# Altium PCB Stabilizer_Pounder.PcbDoc (part 7 of 7)
Units mm, origin at the board's own origin, x right, y up, seen from the top; angles counter-clockwise.
Board outline 113.55 x 100 mm, 4 copper layers (Top, P2, L3, Bottom Layer), stack 1.579 mm thick; 591 components, 344 nets, 1737 pads, 984 vias.
Unrouted connection lines stored in the file: 2.
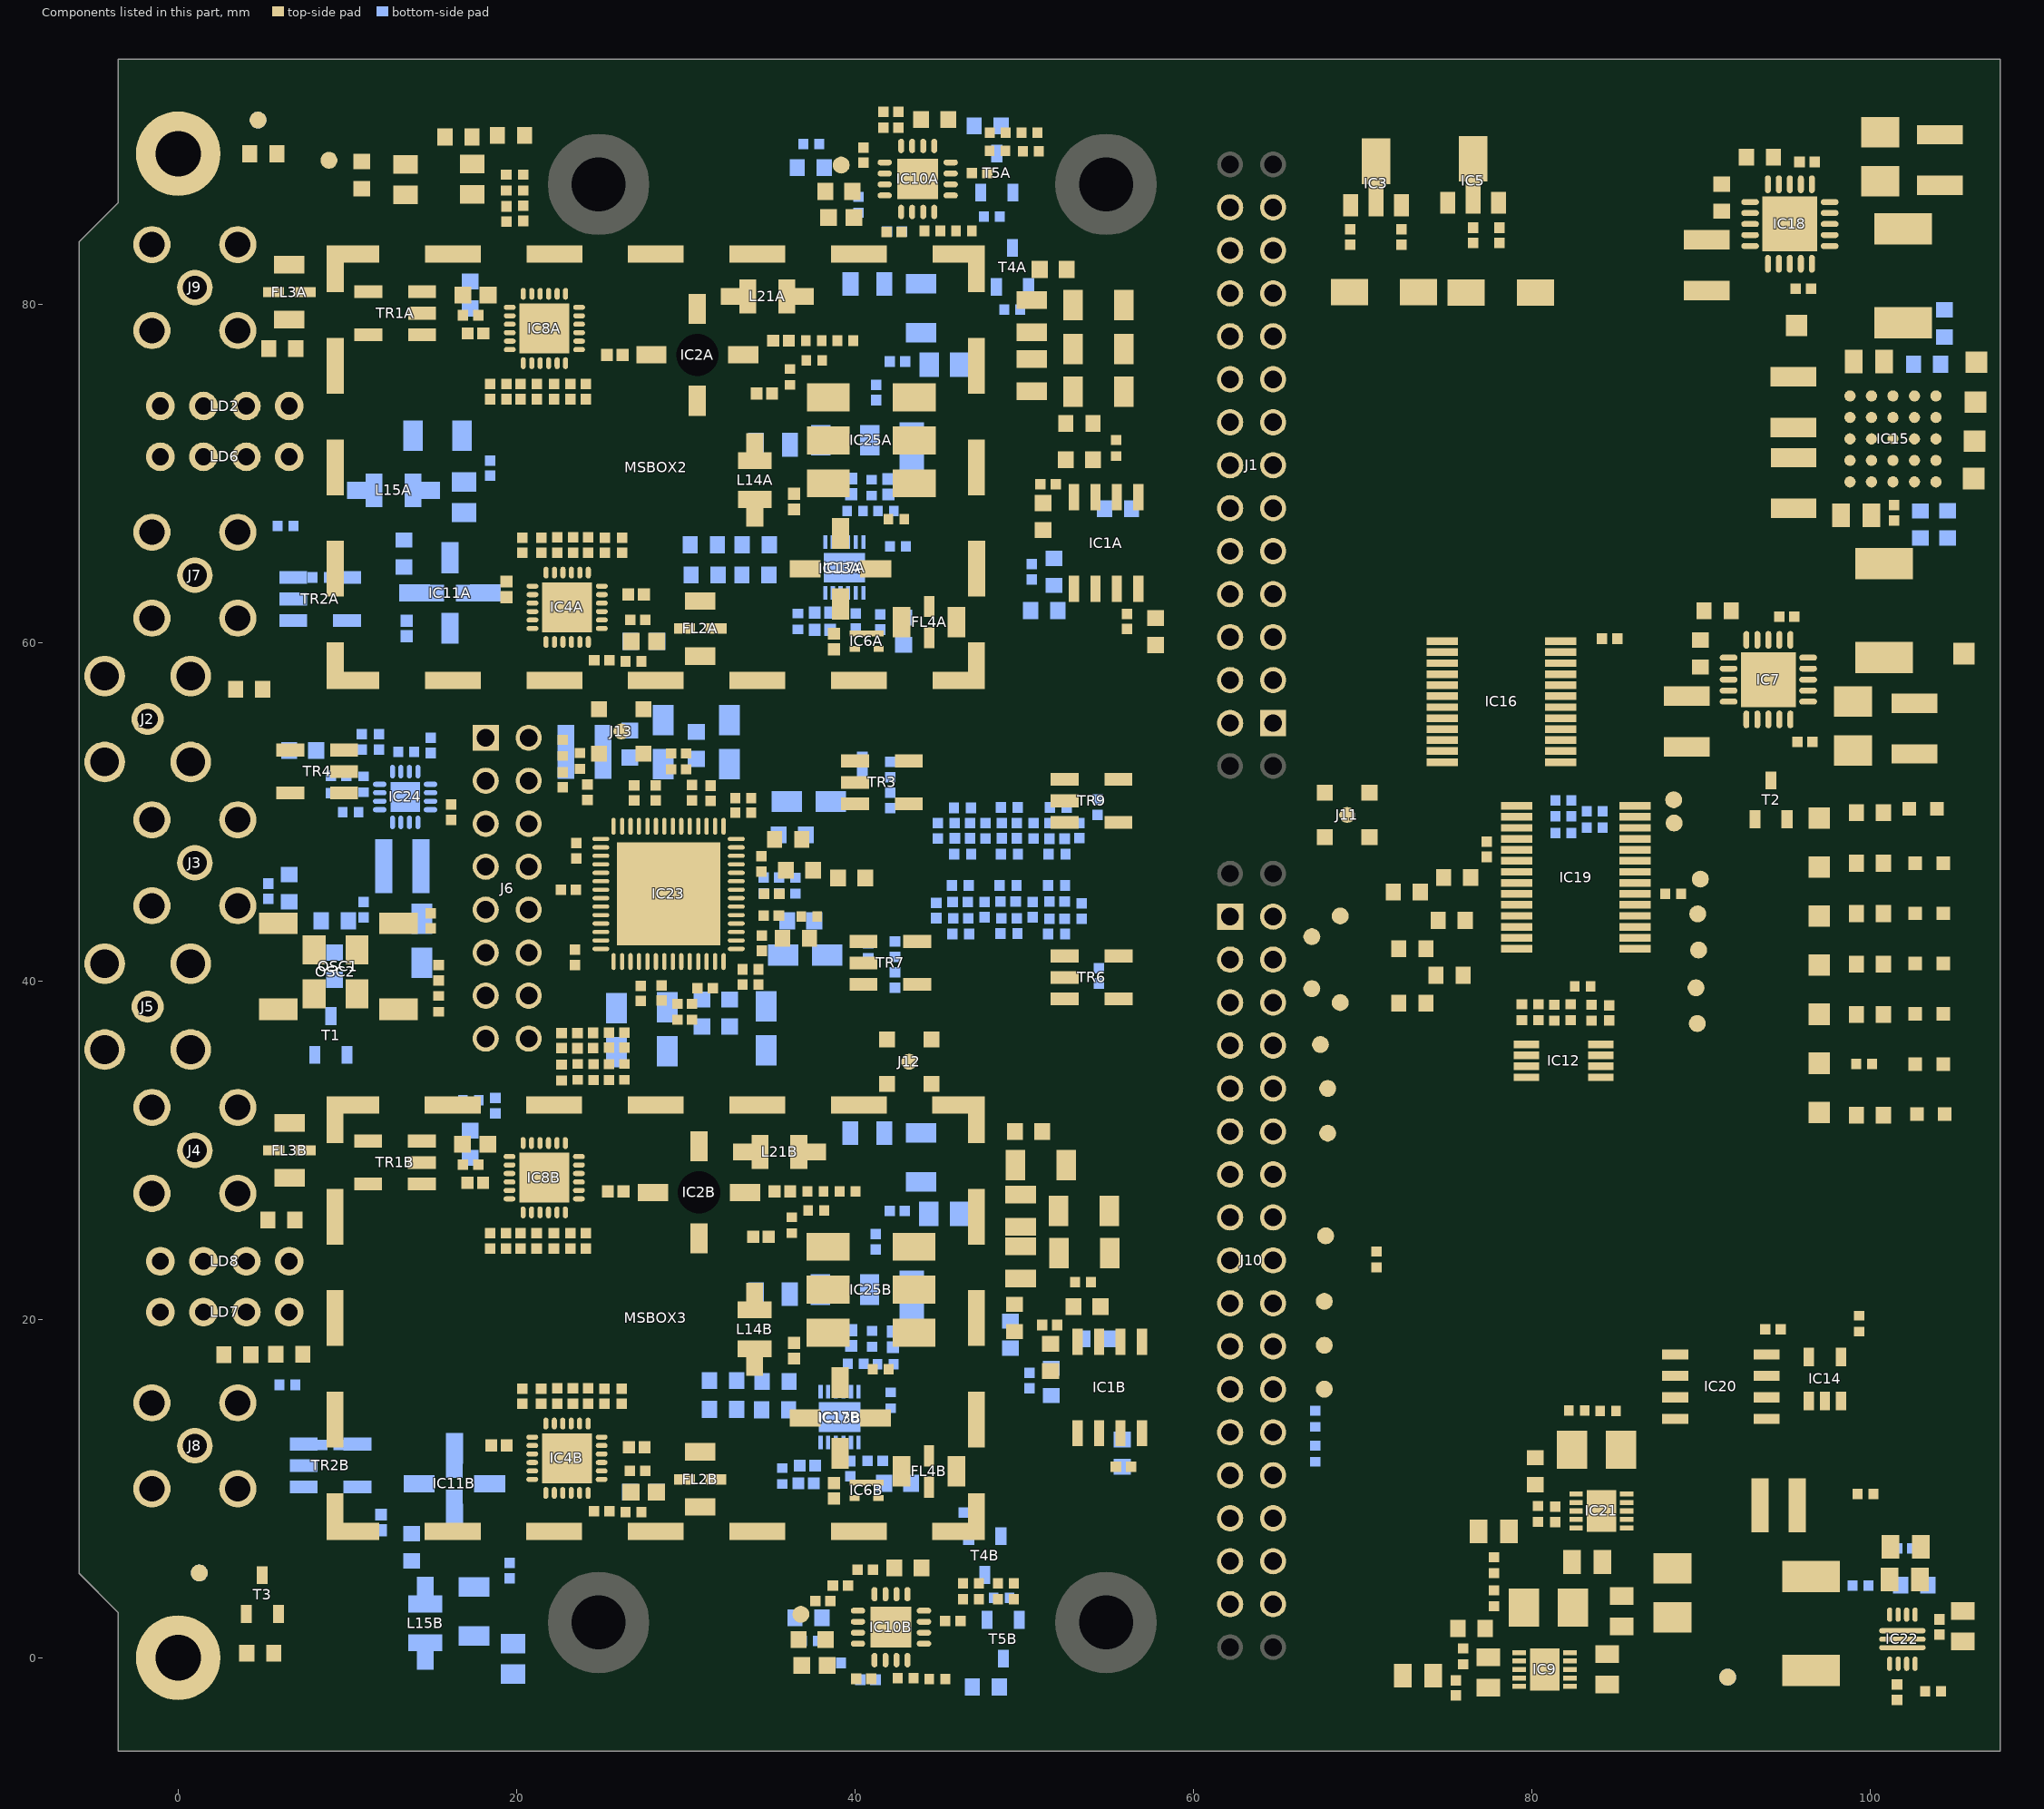
[diagram p9: the components of this part, seen from the top]

## Other copper (continued)
Bottom Layer:
  rectangle net NetL15B_1: 14.097,3.108 15.113,4.637
  rectangle net NetL15A_1: 10.664,68.488 12.011,69.515
  rectangle net NetL15A_2: 13.664,68.506 14.784,69.515
  rectangle net NetL15B_2: 14.097,0 15.088,0.559
  region net RF1: 8.839,12.903 8.026,12.903 8.026,12.268 8.839,12.268
  rectangle net NetC116B_2: 9.195,12.268 10.008,12.903
  rectangle net GND: 10.234,55.144 12.488,56.277
  region net NetL15A_2: 15.141,69.488 13.979,69.488 13.979,68.749 15.141,68.749
  rectangle net NetL15A_1: 10.234,68.749 11.396,69.488
  rectangle net P7V0A: 79.732,62.437 80.532,63.612
  rectangle net P7V0A: 79.669,73.838 80.469,75.013
  rectangle net P7V0A: 79.769,22.063 80.419,23.338
  rectangle net P7V0A: 44.844,23.188 46.019,24.338
  rectangle net P7V0A: 79.169,6.413 80.769,7.763
  rectangle net GND: 67.169,87.288 73.169,91.163
  rectangle net N12V0AS: 75.694,87.288 80.794,91.013
  rectangle net N5V0AS: 78.755,85.953 79.227,87.088
  rectangle net P5V0A: 28.709,8.28 29.744,9.149
  rectangle net N5V0AS: 78.284,65.794 79.123,67.894
  rectangle net P5V0AS: 70.032,11.501 71.444,12.276

## Silkscreen, mask and mechanical layers (free items; w line width, h text height)
Top Overlay:
  drawing of 1237 lines, arcs and shapes, not listed
  text "OSC Tune" at 7.108,89.319 h1
  text "FB0 IN" at -3.719,84.531 h1
  text "RF OUT0" at 7.814,61.168 h1 r90
  text "P3V3A" at 85.969,58.451 h1 r90
  text "ADC_P" at 1.764,57.988 h1
  text "P3V6" at 106.519,54.051 h1 r90
  text "SYNC OUT" at 28.656,52.794 h1
  text "REF CLK /  OUT" at 71.425,52.019 h1.52 r90
  text "SDA" at 87.533,51.138 h1
  text "P1V8A" at 97.333,50.563 h1
  text "SCL" at 87.708,48.663 h1
  text "CLK IN" at 4.872,48.539 h1
  text "P3V3A" at 97.583,47.463 h1
  text "ATT RSTn" at 89.747,44.638 h1
  text "P5V0A" at 97.533,44.563 h1
  text "IO3" at 70.806,43.954 h1 r90
  text "LE0" at 88.908,43.163 h1
  text "IO2" at 67.427,41.659 h1
  text "P5V0AS" at 98.058,41.513 h1
  text "LEB" at 89.083,41.113 h1
  text "IO1" at 67.861,39.313 h1
  text "LE2" at 88.808,38.913 h1
  text "P7V0" at 97.741,38.513 h1
  text "IO0" at 69.036,37.188 h1
  text "LEA" at 88.858,36.688 h1
  text "ADC_N" at 4.334,36.343 h1 r90
  text "P12V0" at 96.908,35.463 h1
  text "CLK" at 68.486,35.363 h1
  text "SYNC IN" at 27.439,34.013 h1
  text "CSn" at 68.786,32.763 h1
  text "N5V0" at 98.307,32.688 h1
  text "Update" at 67.975,28.663 h1
  text "FB1 IN" at -2.101,24.683 h1
  text "Reset" at 70.5,24.438 h1
  text "Pounder / PDH Lock Signal Generator AFE / v 1.2.1 / PW ISE 2022" at 82.88,20.853 h1.52
  text "MOSI" at 69.486,20.319 h1
  text "MISO" at 69.212,17.603 h1
  text "CLKA" at 69.625,15.088 h1
  text "RF OUT1" at 7.834,10.535 h1 r90
Bottom Overlay:
  drawing of 1237 lines, arcs and shapes, not listed
  text "Pounder / PDH Lock Signal Generator AFE / v 1.2.1 / PW ISE 2022" at 105.029,21.666 h1.52
Bottom Solder:
  rectangle: 26.319,42.563 31.544,47.713
Mechanical 1:
  drawing of 303 lines, arcs and shapes, not listed
  text "Layer" at 9.595,148.488 h1.52
  text "Name" at 20.006,148.488 h1.52
  text "Material" at 43.622,148.488 h1.52
  text "Thickness" at 65.46,148.488 h1.52
  text "Constant" at 81.966,148.488 h1.52
  text "Board Layer Stack" at 96.44,148.488 h1.52
  text "Top Overlay" at 20.006,145.44 h1.52
  text "Top Solder" at 20.006,142.392 h1.52
  text "Solder Resist" at 43.622,142.392 h1.52
  text "0.010mm" at 65.46,142.392 h1.52
  text "3.5" at 81.966,142.392 h1.52
  text "1" at 9.595,139.344 h1.52
  text "Top" at 20.006,139.344 h1.52
  text "0.036mm" at 65.46,139.344 h1.52
  text "Dielectric1" at 20.006,136.296 h1.52
  text "FR-4" at 43.622,136.296 h1.52
  text "0.180mm" at 65.46,136.296 h1.52
  text "4.2" at 81.966,136.296 h1.52
  text "2" at 9.595,133.248 h1.52
  text "P2" at 20.006,133.248 h1.52
  text "CF-004" at 43.622,133.248 h1.52
  text "0.036mm" at 65.46,133.248 h1.52
  text "Dielectric3" at 20.006,130.2 h1.52
  text "PP-015" at 43.622,130.2 h1.52
  text "1.076mm" at 65.46,130.2 h1.52
  text "4.2" at 81.966,130.2 h1.52
  text "3" at 9.595,127.152 h1.52
  text "L3" at 20.006,127.152 h1.52
  text "CF-004" at 43.622,127.152 h1.52
  text "0.036mm" at 65.46,127.152 h1.52
  text "Dielectric2" at 20.006,124.104 h1.52
  text "FR-4" at 43.622,124.104 h1.52
  text "0.180mm" at 65.46,124.104 h1.52
  text "4.2" at 81.966,124.104 h1.52
  text "4" at 9.595,121.056 h1.52
  text "Bottom Layer" at 20.006,121.056 h1.52
  text "0.036mm" at 65.46,121.056 h1.52
  text "Bottom Solder" at 20.006,118.008 h1.52
  text "Solder Resist" at 43.622,118.008 h1.52
  text "0.010mm" at 65.46,118.008 h1.52
  text "3.5" at 81.966,118.008 h1.52
  text "Bottom Overlay" at 20.006,114.96 h1.52
Mechanical 4:
  lines w0.3: -3.074,38.488 -1.806,38.488 ; -3.074,55.488 -1.806,55.488 ; -2.642,73.889 -2.542,73.988 -1.056,73.988 ; -2.324,20.438 -1.056,20.438 0.203,20.438 ; -2.324,23.438 -1.056,23.438 ; -2.324,29.988 -1.056,29.988 ; -2.324,46.988 -1.056,46.988 ; -2.324,63.988 -1.056,63.988 ; -2.324,70.988 -1.056,70.988 0.203,70.988 ; -2.324,80.988 -1.056,80.988 ; -1.817,40.05 -1.806,40.039 -1.806,38.488 ; -1.817,57.05 -1.806,57.039 -1.806,55.488 ; -1.806,37.14 -1.806,38.488 ; -1.806,54.14 -1.806,55.488 ; -1.268,0 0,0 ; -1.092,69.342 -1.056,69.378 -1.056,73.988 ; -1.067,25 -1.056,24.989 -1.056,23.438 ; -1.067,31.55 -1.056,31.539 -1.056,29.988 ; -1.067,48.55 -1.056,48.539 -1.056,46.988 ; -1.067,65.55 -1.056,65.539 -1.056,63.988 ; -1.067,82.55 -1.056,82.539 -1.056,80.988 ; -1.056,18.828 -1.056,23.438 ; -1.056,22.09 -1.056,23.438 ; -1.056,28.64 -1.056,29.988 ; -1.056,45.64 -1.056,46.988 ; -1.056,62.64 -1.056,63.988 ; -1.056,76.2 -1.056,73.988 ; -1.056,79.64 -1.056,80.988 ; -0.011,1.562 0,1.551 0,0 ; 0,-1.348 0,0 ; 0.05,38.488 -1.806,38.488 ; 0.05,55.488 -1.806,55.488 ; 0.203,73.988 -1.056,73.988 ; 0.8,23.438 -1.056,23.438 ; 0.8,29.988 -1.056,29.988 ; 0.8,46.988 -1.056,46.988 ; 0.8,63.988 -1.056,63.988 ; 0.8,80.988 -1.056,80.988 ; 1.856,0 0,0

## Text inside footprints (layer, text, board x,y; h text height)
FL2A: Drill Drawing "Filled and" at 30.659,58.438 h0.5 r90; Drill Drawing "capped via" at 31.409,58.388 h0.5 r90
FL2B: Drill Drawing "Filled and" at 30.649,8.143 h0.5 r90; Drill Drawing "capped via" at 31.399,8.093 h0.5 r90
FL3A: Drill Drawing "Filled and" at 6.764,83.118 h0.5 r270; Drill Drawing "capped via" at 6.014,83.168 h0.5 r270
FL3B: Drill Drawing "Filled and" at 6.779,32.388 h0.5 r270; Drill Drawing "capped via" at 6.029,32.438 h0.5 r270
FL4A: Drill Drawing "Filled and" at 46.784,61.009 h0.5 r180; Drill Drawing "capped via" at 46.834,61.759 h0.5 r180
FL4B: Drill Drawing "Filled and" at 46.774,10.81 h0.5 r180; Drill Drawing "capped via" at 46.824,11.56 h0.5 r180